# Altium PCB MyNixie - 副本.PcbDoc (part 1 of 2)
Units mm, origin at the board's own origin, x right, y up, seen from the top; angles counter-clockwise.
Board outline 190.25 x 80.25 mm, 2 copper layers (Top Layer, Bottom Layer); 206 components, 192 nets, 688 pads, 256 vias.
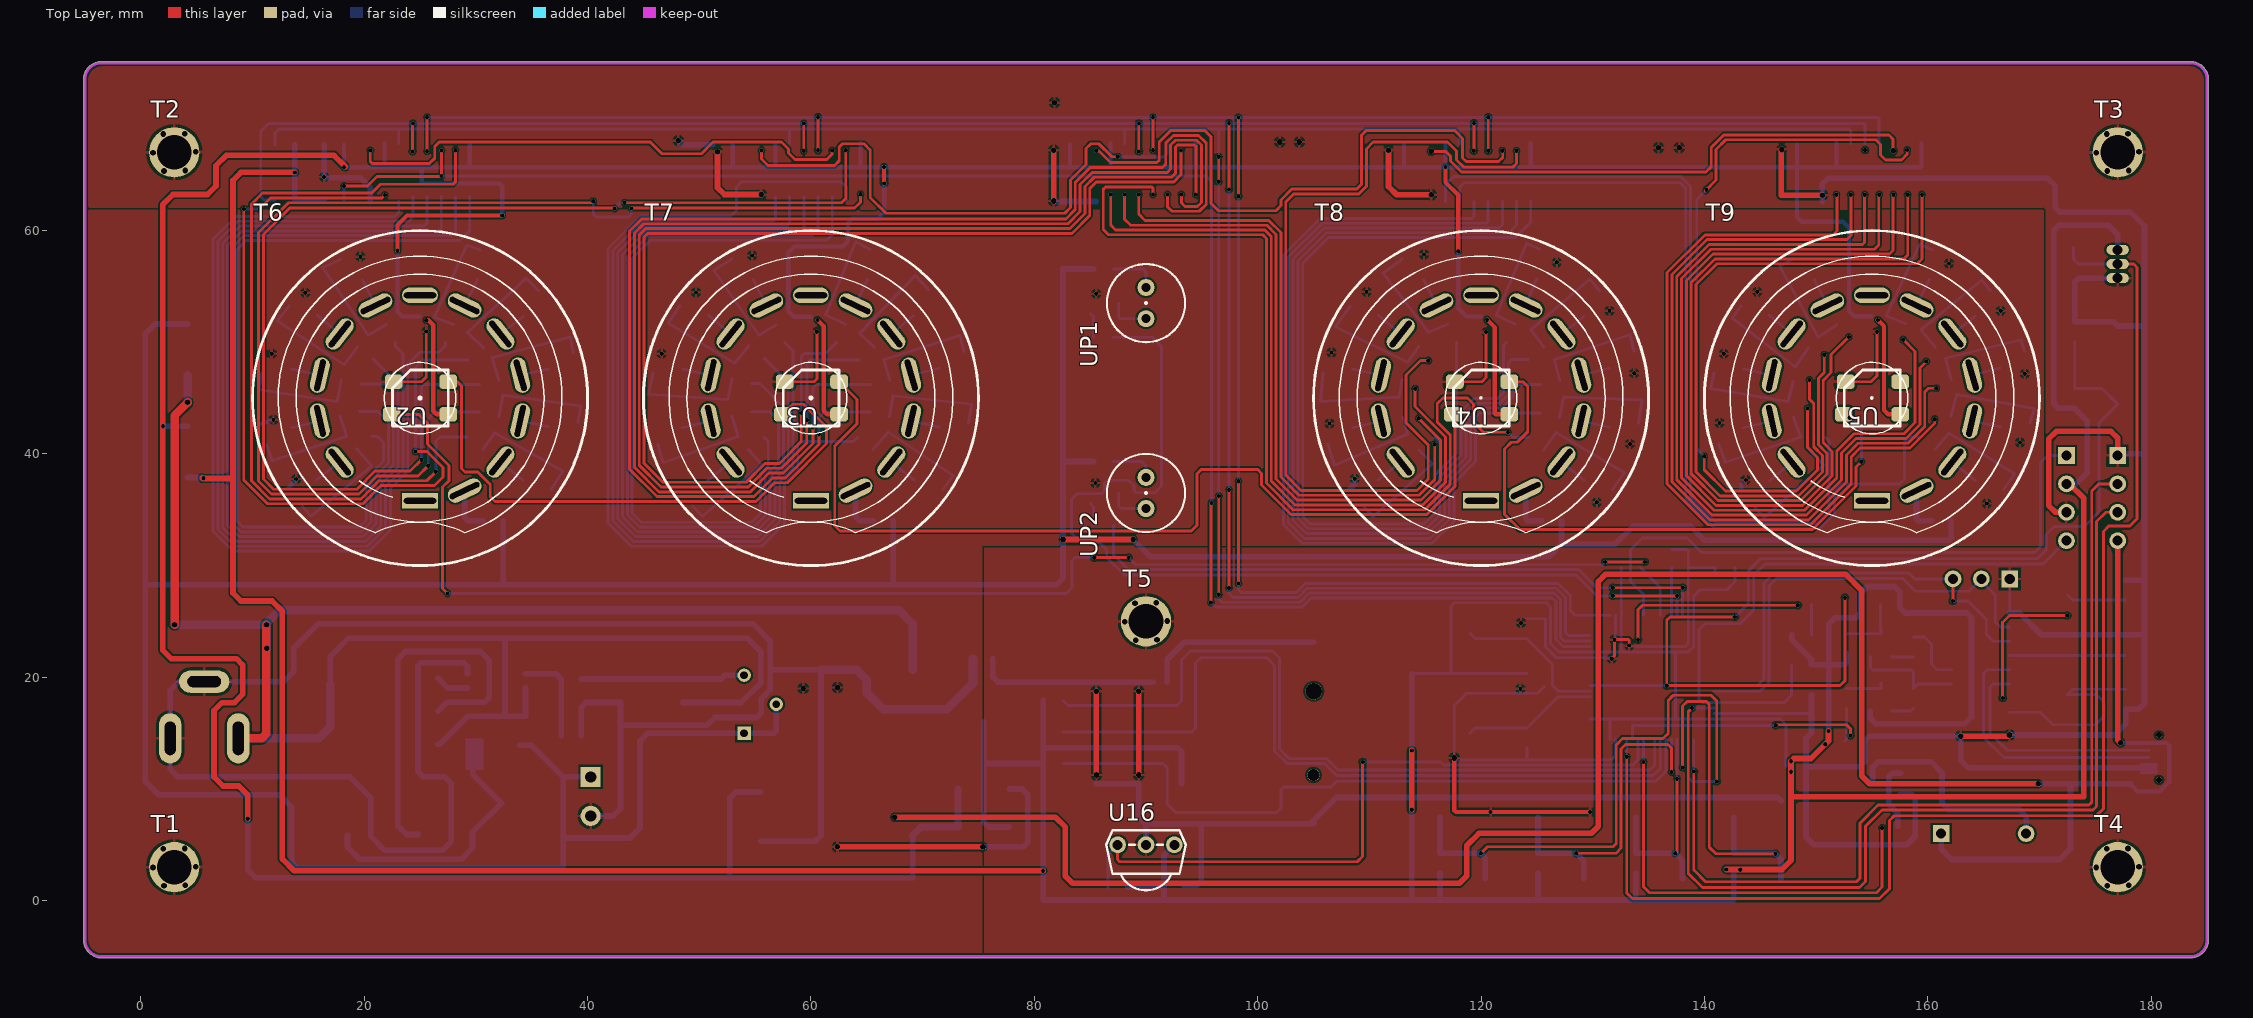
[diagram p0: Top Layer view]
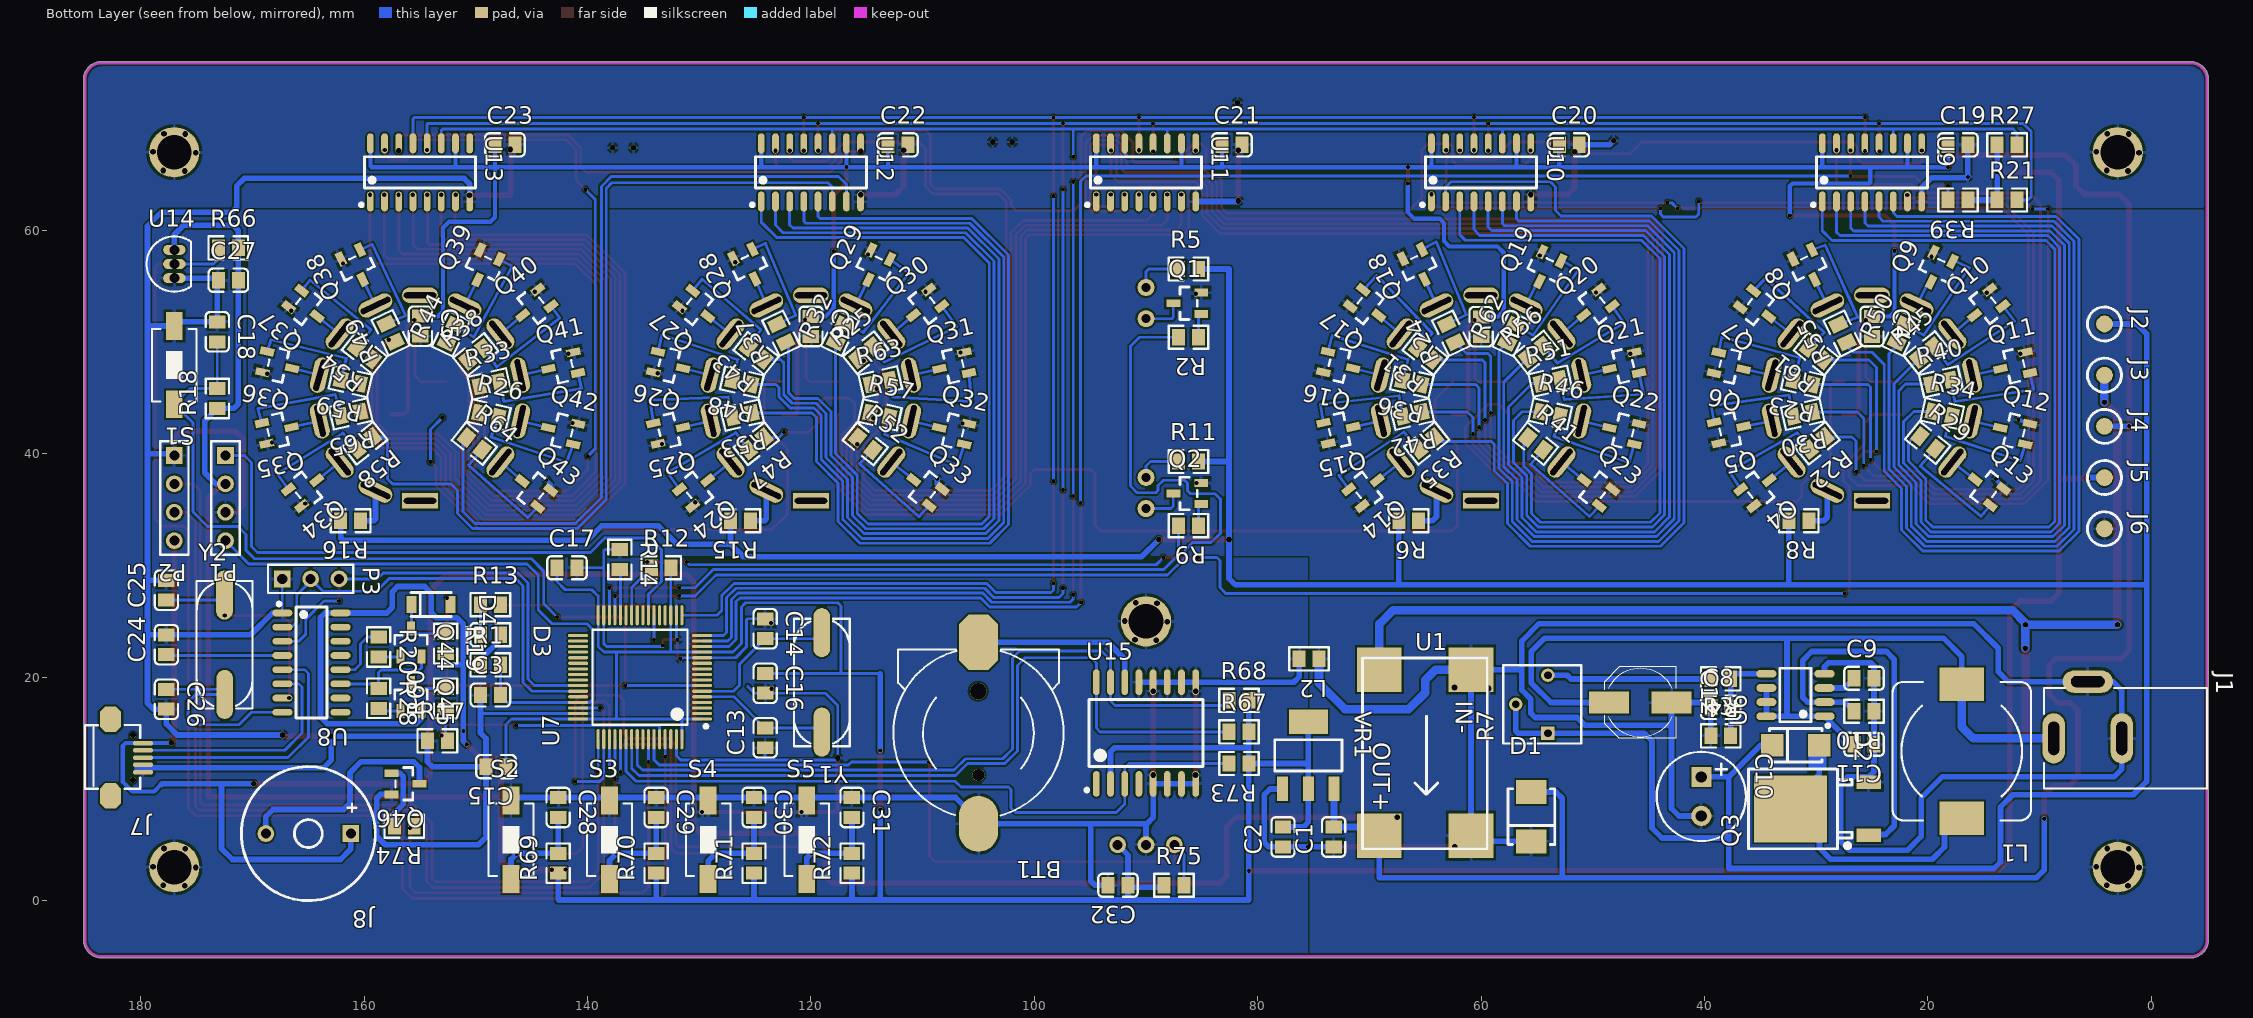
[diagram p1: Bottom Layer view, seen from below]
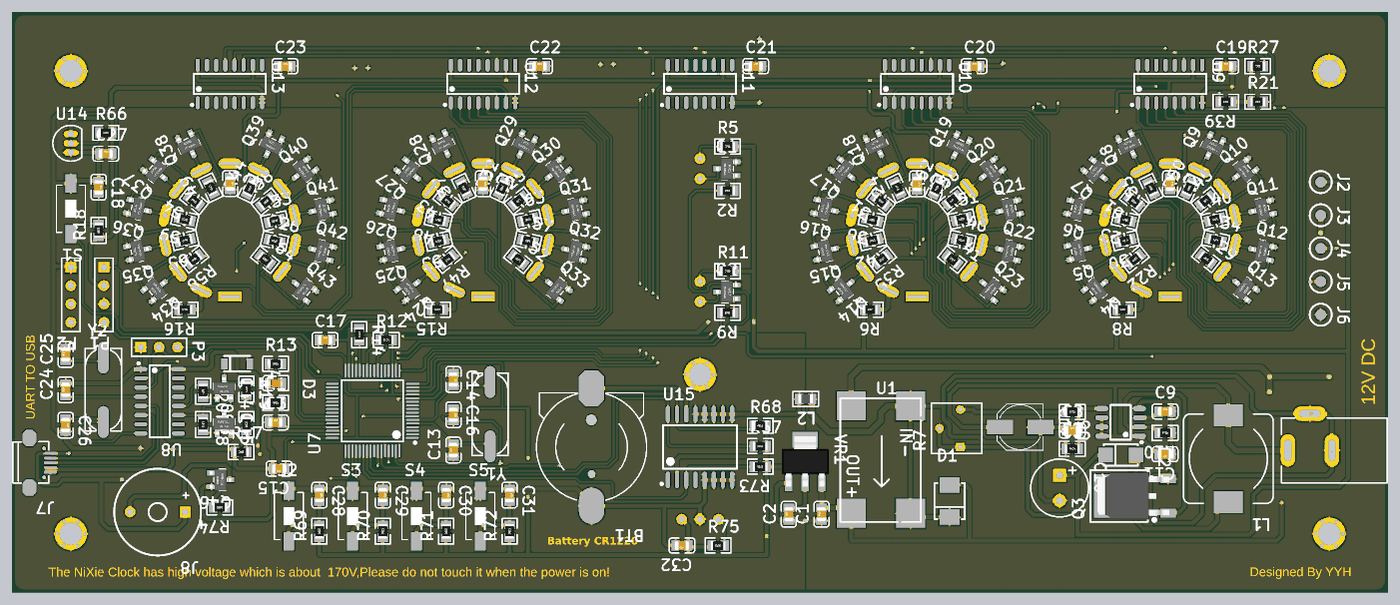
[diagram p3: 3D render of the assembled board from below, using the file's embedded part models]

## Layer stack, top to bottom
Top Solder: solder mask 0.0102, Solder Resist, Dk 3.5
Top Layer: signal copper 0.0356
Dielectric 1: dielectric 0.32, FR-4, Dk 4.8
Bottom Layer: signal copper 0.0356
Bottom Solder: solder mask 0.0102, Solder Resist, Dk 3.5

## Board outline
-3.529,-5.127 cw(c-3.5,-3.5) -5.127,-3.5 cw(c-5,-3.5) -5.127,-3.5 cw(c-5,-3.499) -5.127,-3.499 -5.127,73.5 cw(c-3.5,73.5) -3.527,75.127 cw(c-3.519,75) -3.519,75.127 183.539,75.127 cw(c183.539,75) 183.554,75.126 cw(c183.5,73.5) 185.126,73.568 cw(c185,73.549) 185.127,73.549 185.127,-3.527 cw(c185,-3.527) 185.127,-3.538 cw(c183.5,-3.5) 183.5,-5.127 cw(c183.5,-5) 183.479,-5.126 cw(c183.458,-5) 183.458,-5.127 -3.521,-5.127 cw(c-3.521,-5)

## Design rules (kind name [scope] priority, off if disabled: settings)
Clearance [All] p1: gap=0.178
ComponentClearance [All] p1: gap=0 collisioncheckmode=3 verticalgap=0 showdistances=FALSE
Height [All] p1: minheight=0 maxheight=127 prefheight=12.7
PolygonConnect [All] p1: connectstyle=Relief reliefconductorwidth=0.254 reliefentries=4 polygonreliefangle="90 Angle" airgapwidth=0.254
RoutingVias [All] p1: holewidth=0.508 width=0.508 viastyle="Through Hole" minholewidth=0.381 minwidth=0.381 maxholewidth=0.711 maxwidth=1.27
SolderMaskExpansion [All] p1: expansion=0.102
Width [All] p1: maxlimit=2.54 minlimit=0.178 preferedwidth=0.508
28 further rules are at their usual default settings.

## Components (designator, comment, footprint, x,y, rotation, side; value= is the part's Value field where it differs from the comment)
BT1 "Battery" CR1220 105,15 r0 bottom
C1 "100nF(104) 10% 50V" LC-0805_C 73.2,5.7 r90 bottom
C2 "100nF(104) 10% 50V" LC-0805_C 77.73,5.7 r90 bottom
C3 "100nF(104) 10% 50V" LC-0805_C 148.7,18.41 r180 bottom
C4 "100nF(104) 10% 50V" LC-0805_C 25,51.41 r270 bottom
C5 "100nF(104) 10% 50V" LC-0805_C 154.965,51.435 r270 bottom
C6 "100nF(104) 10% 50V" LC-0805_C 120,51.41 r270 bottom
C7 "100nF(104) 10% 50V" LC-0805_C 59.995,51.384 r270 bottom
C8 "100nF(104) 10% 50V" LC-0805_C 38.54,17.302 r180 bottom
C9 "1nF (102) 10% 50V" LC-0805_C 25.71,19.91 r180 bottom
C10 "4.7u/10u 250V" C-RB-8 40.28,11.08 r270 bottom
C11 "100nF(104) 10% 50V" LC-0805_C 25.71,14 r0 bottom
C12 "220uF/16V" C-RB-S6 45.74,17.735 r180 bottom
C13 "20pF (200) 5% 50V" LC-0805_C 124.1,14.579 r90 bottom
C14 "20pF (200) 5% 50V" LC-0805_C 124.1,24.342 r270 bottom
C15 "100nF(104) 10% 50V" LC-0805_C 148.2,12 r0 bottom
C16 "100nF(104) 10% 50V" LC-0805_C 124.1,19.46 r270 bottom
C17 "100nF(104) 10% 50V" LC-0805_C 141.848,29.8 r180 bottom
C18 "100nF(104) 10% 50V" LC-0805_C 173.15,50.926 r270 bottom
C19 "100nF(104) 10% 50V" LC-0805_C 17.3,67.67 r180 bottom
C20 "100nF(104) 10% 50V" LC-0805_C 52.1,67.67 r180 bottom
C21 "100nF(104) 10% 50V" LC-0805_C 82.3,67.67 r180 bottom
C22 "100nF(104) 10% 50V" LC-0805_C 112.2,67.67 r180 bottom
C23 "100nF(104) 10% 50V" LC-0805_C 147.4,67.67 r180 bottom
C24 "100nF(104) 10% 50V" LC-0805_C 177.71,22.91 r90 bottom
C25 "20pF (200) 5% 50V" LC-0805_C 177.71,27.792 r90 bottom
C26 "20pF (200) 5% 50V" LC-0805_C 177.71,18.028 r270 bottom
C27 "100nF(104) 10% 50V" LC-0805_C 172.162,55.551 r180 bottom
C28 "100nF(104) 10% 50V" LC-0805_C 142.63,8.345 r270 bottom
C29 "100nF(104) 10% 50V" LC-0805_C 133.863,8.345 r270 bottom
C30 "100nF(104) 10% 50V" LC-0805_C 125.097,8.345 r270 bottom
C31 "100nF(104) 10% 50V" LC-0805_C 116.33,8.345 r270 bottom
C32 "22uF (226) 20% 25V" LC-0805_C 92.5,1.378 r0 bottom
D1 "P6SMB6.8CA" LC-SMB(DO-214AA)_S1 55.5,7.519 r90 bottom
D2 "UF4007" LC-SMA(DO-214AC)_S1 31.82,13.91 r180 bottom
D3 "红灯 0805" LC-0805_LED_S1 148.7,23.803 r180 bottom
D4 "LL4148 LL-34 1206" LC-LL-34 154.01,26.51 r180 bottom
J1 "PWRCON" DC-005 9.613,14.53 r180 bottom
J2 "CHECK" CHECK-B 4.183,51.633 r270 bottom
J3 "CHECK" CHECK-B 4.183,47.048 r270 bottom
J4 "CHECK" CHECK-B 4.183,42.463 r270 bottom
J5 "CHECK" CHECK-B 4.183,37.878 r270 bottom
J6 "CHECK" CHECK-B 4.183,33.294 r270 bottom
J7 "USB_M" USB_MICRO 181.45,15.35 r270 bottom
J8 "BEEP" Beep 165,6 r0 bottom
L1 "330uH SMD-12*12" L-SMD-12 16.96,13.383 r270 bottom
L2 "100uH ±10%" LC-0805_L 75.4,21.645 r0 bottom
P1 "MetalKey" HDR4X1_A 172.415,39.853 r270 bottom
P2 "Header 4" HDR4X1_A 177,39.853 r270 bottom
P3 "Header 3" HDR3X1_A 167.335,28.804 r180 bottom
Q1 "A42" LC-SOT-23(SOT-23-3) 86.303,53.486 r180 bottom
Q2 "A42" LC-SOT-23(SOT-23-3) 86.303,36.453 r180 bottom
Q3 "IRF740" LC-TO-252-2-180 25.29,8.22 r0 bottom
Q4 "A42" LC-SOT-23(SOT-23-3) 35.18,36.86 r321.43 bottom
Q5 "A42" LC-SOT-23(SOT-23-3) 37.7,42.17 r347.14 bottom
Q6 "A42" LC-SOT-23(SOT-23-3) 37.71,47.87 r12.86 bottom
Q7 "A42" LC-SOT-23(SOT-23-3) 35.22,53.08 r38.57 bottom
Q8 "A42" LC-SOT-23(SOT-23-3) 30.69,56.73 r64.29 bottom
Q9 "A42" LC-SOT-23(SOT-23-3) 19.177,56.515 r115.71 bottom
Q10 "A42" LC-SOT-23(SOT-23-3) 14.84,53.19 r141.43 bottom
Q11 "A42" LC-SOT-23(SOT-23-3) 12.28,47.89 r167.14 bottom
Q12 "A42" LC-SOT-23(SOT-23-3) 12.29,42.06 r192.86 bottom
Q13 "A42" LC-SOT-23(SOT-23-3) 14.78,36.93 r218.57 bottom
Q14 "A42" LC-SOT-23(SOT-23-3) 70.26,36.86 r321.43 bottom
Q15 "A42" LC-SOT-23(SOT-23-3) 72.67,42.13 r347.14 bottom
Q16 "A42" LC-SOT-23(SOT-23-3) 72.69,47.95 r12.86 bottom
Q17 "A42" LC-SOT-23(SOT-23-3) 70.15,53.17 r38.57 bottom
Q18 "A42" LC-SOT-23(SOT-23-3) 65.61,56.76 r64.29 bottom
Q19 "A42" LC-SOT-23(SOT-23-3) 54.229,56.566 r115.71 bottom
Q20 "A42" LC-SOT-23(SOT-23-3) 49.84,53.19 r141.43 bottom
Q21 "A42" LC-SOT-23(SOT-23-3) 47.28,47.89 r167.14 bottom
Q22 "A42" LC-SOT-23(SOT-23-3) 47.29,42.06 r192.86 bottom
Q23 "A42" LC-SOT-23(SOT-23-3) 49.79,36.87 r218.57 bottom
Q24 "A42" LC-SOT-23(SOT-23-3) 130.2,36.86 r321.43 bottom
Q25 "A42" LC-SOT-23(SOT-23-3) 132.68,42.1 r347.14 bottom
Q26 "A42" LC-SOT-23(SOT-23-3) 132.68,47.95 r12.86 bottom
Q27 "A42" LC-SOT-23(SOT-23-3) 130.2,53.09 r38.57 bottom
Q28 "A42" LC-SOT-23(SOT-23-3) 125.54,56.79 r64.29 bottom
Q29 "A42" LC-SOT-23(SOT-23-3) 114.31,56.72 r115.71 bottom
Q30 "A42" LC-SOT-23(SOT-23-3) 109.84,53.19 r141.43 bottom
Q31 "A42" LC-SOT-23(SOT-23-3) 107.28,47.89 r167.14 bottom
Q32 "A42" LC-SOT-23(SOT-23-3) 107.29,42.06 r192.86 bottom
Q33 "A42" LC-SOT-23(SOT-23-3) 109.81,36.89 r218.57 bottom
Q34 "A42" LC-SOT-23(SOT-23-3) 165.21,36.86 r321.43 bottom
Q35 "A42" LC-SOT-23(SOT-23-3) 167.72,42.12 r347.14 bottom
Q36 "A42" LC-SOT-23(SOT-23-3) 167.68,47.96 r12.86 bottom
Q37 "A42" LC-SOT-23(SOT-23-3) 165.2,53.1 r38.57 bottom
Q38 "A42" LC-SOT-23(SOT-23-3) 160.68,56.74 r64.29 bottom
Q39 "A42" LC-SOT-23(SOT-23-3) 149.3,56.72 r115.71 bottom
Q40 "A42" LC-SOT-23(SOT-23-3) 144.84,53.19 r141.43 bottom
Q41 "A42" LC-SOT-23(SOT-23-3) 142.28,47.89 r167.14 bottom
Q42 "A42" LC-SOT-23(SOT-23-3) 142.29,42.06 r192.86 bottom
Q43 "A42" LC-SOT-23(SOT-23-3) 144.86,36.79 r218.57 bottom
Q44 "A42" LC-SOT-23(SOT-23-3) 155.81,23.117 r270 bottom
Q45 "SS8550 Y2" LC-SOT-23(SOT-23-3) 155.81,18.217 r270 bottom
Q46 "A42" LC-SOT-23(SOT-23-3) 156.3,10.46 r0 bottom
R1 "10KΩ (1002) ±1%" LC-0805_R 148.7,21.107 r180 bottom
R2 "24KΩ (2402) ±1%" LC-0805_R 86.197,50.438 r0 bottom
R3 "2KΩ (2001) ±1%" LC-0805_R 38.54,14.755 r180 bottom
R4 "270KΩ (2703) ±1%" LC-0805_R 38.54,19.85 r0 bottom
R5 "240KΩ (2403) ±1%" LC-0805_R 86.197,56.556 r180 bottom
R6 "20KΩ (2002) ±1%" LC-0805_R 66.472,34.011 r0 bottom
R7 "50K" VR_B1 54.02,17.58 r90 bottom
R8 "20KΩ (2002) ±1%" LC-0805_R 31.547,34.011 r0 bottom
R9 "24KΩ (2402) ±1%" LC-0805_R 86.197,33.576 r0 bottom
R10 "330Ω (3300) ±1%" LC-0805_R 25.71,16.955 r0 bottom
R11 "240KΩ (2403) ±1%" LC-0805_R 86.197,39.316 r180 bottom
R12 "4.7KΩ (4701) ±1%" LC-0805_R 133.4,29.8 r180 bottom
R13 "1KΩ (1001) ±1%" LC-0805_R 148.7,26.5 r180 bottom
R14 "10KΩ (1002) ±1%" LC-0805_R 137.109,30.535 r270 bottom
R15 "20KΩ (2002) ±1%" LC-0805_R 126.314,34.011 r0 bottom
R16 "20KΩ (2002) ±1%" LC-0805_R 161.214,34.011 r0 bottom
R17 "10KΩ (1002) ±1%" LC-0805_R 153.445,14.3 r180 bottom
R18 "10KΩ (1002) ±1%" LC-0805_R 173.15,44.962 r90 bottom
R19 "10KΩ (1002) ±1%" LC-0805_R 152.71,23.01 r270 bottom
R20 "1KΩ (1001) ±1%" LC-0805_R 158.71,22.71 r270 bottom
R21 "4.7KΩ (4701) ±1%" LC-0805_R 12.9,62.737 r180 bottom
R22 "24KΩ (2402) ±1%" LC-0805_R 29.91,40.95 r321.43 bottom
R23 "24KΩ (2402) ±1%" LC-0805_R 31.19,46.41 r12.86 bottom
R24 "24KΩ (2402) ±1%" LC-0805_R 62.7,50.8 r64.29 bottom
R25 "24KΩ (2402) ±1%" LC-0805_R 115.1,49.05 r141.43 bottom
R26 "24KΩ (2402) ±1%" LC-0805_R 148.83,43.49 r192.86 bottom
R27 "4.7KΩ (4701) ±1%" LC-0805_R 12.9,67.67 r180 bottom
R28 "1KΩ (1001) ±1%" LC-0805_R 158.71,18.11 r270 bottom
R29 "24KΩ (2402) ±1%" LC-0805_R 20.01,41.02 r218.57 bottom
R30 "24KΩ (2402) ±1%" LC-0805_R 31.2,43.54 r347.14 bottom
R31 "24KΩ (2402) ±1%" LC-0805_R 65,48.97 r38.57 bottom
R32 "24KΩ (2402) ±1%" LC-0805_R 117.4,50.81 r115.71 bottom
R33 "24KΩ (2402) ±1%" LC-0805_R 148.8,46.26 r167.14 bottom
R34 "24KΩ (2402) ±1%" LC-0805_R 18.71,43.6 r192.86 bottom
R35 "24KΩ (2402) ±1%" LC-0805_R 64.87,40.94 r321.43 bottom
R36 "24KΩ (2402) ±1%" LC-0805_R 66.19,46.4 r12.86 bottom
R37 "24KΩ (2402) ±1%" LC-0805_R 122.66,50.8 r64.29 bottom
R38 "24KΩ (2402) ±1%" LC-0805_R 150,48.91 r141.43 bottom
R39 "4.7KΩ (4701) ±1%" LC-0805_R 17.3,62.737 r0 bottom
R40 "24KΩ (2402) ±1%" LC-0805_R 18.82,46.44 r167.14 bottom
R41 "24KΩ (2402) ±1%" LC-0805_R 55.12,40.92 r218.57 bottom
R42 "24KΩ (2402) ±1%" LC-0805_R 66.17,43.55 r347.14 bottom
R43 "24KΩ (2402) ±1%" LC-0805_R 124.92,49 r38.57 bottom
R44 "24KΩ (2402) ±1%" LC-0805_R 152.24,50.76 r115.71 bottom
R45 "24KΩ (2402) ±1%" LC-0805_R 20.11,49.06 r141.43 bottom
R46 "24KΩ (2402) ±1%" LC-0805_R 53.81,43.58 r192.86 bottom
R47 "24KΩ (2402) ±1%" LC-0805_R 124.9,40.91 r321.43 bottom
R48 "24KΩ (2402) ±1%" LC-0805_R 126.18,46.41 r12.86 bottom
R49 "24KΩ (2402) ±1%" LC-0805_R 157.64,50.85 r64.29 bottom
R50 "24KΩ (2402) ±1%" LC-0805_R 22.39,50.8 r115.71 bottom
R51 "24KΩ (2402) ±1%" LC-0805_R 53.81,46.51 r167.14 bottom
R52 "24KΩ (2402) ±1%" LC-0805_R 115.14,40.9 r218.57 bottom
R53 "24KΩ (2402) ±1%" LC-0805_R 126.16,43.47 r347.14 bottom
R54 "24KΩ (2402) ±1%" LC-0805_R 159.97,49.02 r38.57 bottom
R55 "24KΩ (2402) ±1%" LC-0805_R 27.64,50.78 r64.29 bottom
R56 "24KΩ (2402) ±1%" LC-0805_R 55.12,49.12 r141.43 bottom
R57 "24KΩ (2402) ±1%" LC-0805_R 113.82,43.49 r192.86 bottom
R58 "24KΩ (2402) ±1%" LC-0805_R 159.94,40.96 r321.43 bottom
R59 "24KΩ (2402) ±1%" LC-0805_R 161.23,46.47 r12.86 bottom
R60 "1KΩ (1001) ±1%" LC-0805_R 152.71,18.11 r90 bottom
R61 "24KΩ (2402) ±1%" LC-0805_R 29.99,48.95 r38.57 bottom
R62 "24KΩ (2402) ±1%" LC-0805_R 57.27,50.77 r115.71 bottom
R63 "24KΩ (2402) ±1%" LC-0805_R 113.78,46.44 r167.14 bottom
R64 "24KΩ (2402) ±1%" LC-0805_R 150.13,40.92 r218.57 bottom
R65 "24KΩ (2402) ±1%" LC-0805_R 161.22,43.58 r347.14 bottom
R66 "4.7KΩ (4701) ±1%" LC-0805_R 172.162,58.449 r180 bottom
R67 "4.7KΩ (4701) ±1%" LC-0805_R 81.68,15.105 r180 bottom
R68 "4.7KΩ (4701) ±1%" LC-0805_R 81.68,17.93 r180 bottom
R69 "10KΩ (1002) ±1%" LC-0805_R 142.63,3.345 r90 bottom
R70 "10KΩ (1002) ±1%" LC-0805_R 133.863,3.345 r90 bottom
R71 "10KΩ (1002) ±1%" LC-0805_R 125.097,3.345 r90 bottom
R72 "10KΩ (1002) ±1%" LC-0805_R 116.33,3.345 r90 bottom
R73 "4.7KΩ (4701) ±1%" LC-0805_R 81.68,12.28 r0 bottom
R74 "1KΩ (1001) ±1%" LC-0805_R 156.407,6.66 r0 bottom
R75 "4.7KΩ (4701) ±1%" LC-0805_R 87.5,1.378 r180 bottom
S1 "SW-PB" SW_PB2_A1 177,48 r0 bottom
S2 "SW-PB" SW_PB2_A1 146.862,5.391 r180 bottom
S3 "SW-PB" SW_PB2_A1 138.034,5.391 r180 bottom
S4 "SW-PB" SW_PB2_A1 129.206,5.391 r180 bottom
S5 "SW-PB" SW_PB2_A1 120.378,5.391 r180 bottom
T1 "M3铜柱螺丝孔" 螺丝孔-3MM 3,3 r0 top
T2 "M3铜柱螺丝孔" 螺丝孔-3MM 3,67 r0 top
T3 "M3铜柱螺丝孔" 螺丝孔-3MM 177,67 r0 top
T4 "M3铜柱螺丝孔" 螺丝孔-3MM 177,3 r0 top
T5 "M3铜柱螺丝孔" 螺丝孔-3MM 90,25 r0 top
T6 "QS30-1" QS30-1 25,45 r0 top
T7 "QS30-1" QS30-1 60,45 r0 top
T8 "QS30-1" QS30-1 120,45 r0 top
T9 "QS30-1" QS30-1 155,45 r0 top
U1 "MP1584 Module" "MP1584 MODULE" 65,13.249 r270 bottom
U2 "WS2812-LED" WS2812 25,45 r180 top
U3 "WS2812-LED" WS2812 60,45 r180 top
U4 "WS2812-LED" WS2812 120,45 r180 top
U5 "WS2812-LED" WS2812 155,45 r180 top
U6 "MC34063A" LC-SOIC-8_150mil 31.85,18.41 r90 bottom
U7 "STM32F103RBT6" LC-LQFP-64_10x10x05P 135.3,20 r90 bottom
U8 "CH340G" LC-SOIC-16_150mil 164.72,21.313 r270 bottom
U9 "74HC595D" LC-SOIC-16_150mil 25,65.203 r180 bottom
U10 "74HC595D" LC-SOIC-16_150mil 60,65.203 r180 bottom
U11 "74HC595D" LC-SOIC-16_150mil 90,65.203 r180 bottom
U12 "74HC595D" LC-SOIC-16_150mil 120,65.203 r180 bottom
U13 "74HC595D" LC-SOIC-16_150mil 155,65.203 r180 bottom
U14 "DS18B20" TO-92A 177,57 r180 bottom
U15 "DS3231M+TRL" LC-SOIC-16_300mil 90,15 r180 bottom
U16 "HX1838" HS0038B 90,5 r0 top
UP1 "Neon" NEON 90,53.5 r90 top
UP2 "Neon" NEON 90,36.5 r90 top
VR1 "AMS1117-3.3" LC-SOT-223 75.465,13 r270 bottom
Y1 "8M" X-SM49 119.026,19.537 r270 bottom
Y2 "12M" X-SM49 172.5,22.91 r90 bottom
